# Allegro board SG2042_EVB_V2_0.brd (continued)
## Routing (per net, layer and track width the routed paths; a pad name or vN(x,y) marks a point on that pad's centre or on a via; arc(x,y) is an arc through that point) (continued)
DDR2_DQ43: length 53.8
  TOP w0.173: U1.BR2 v1(89.75,194.05)
  BOTTOM w0.173: J3.260 60.58,181.53 arc(61.12,181.42) 61.57,181.11 61.65,181.03 arc(62.05,180.77) 62.52,180.68 62.55,180.68 arc(63.02,180.77) 63.42,181.03 63.55,181.17 arc(63.95,181.43) 64.42,181.52 64.45,181.52 arc(64.92,181.43) 65.32,181.17 65.46,181.03 arc(65.85,180.77) 66.31,180.68 68.84,180.68 75.2,187.03 83.45,187.03 84.17,187.75 84.41,187.75 85.5,186.66 85.75,186.66 86.05,186.96 86.05,187.21 84.96,188.3 84.96,188.54 85.27,188.85 85.51,188.85 86.6,187.76 86.84,187.76 87.15,188.06 87.15,188.31 86.06,189.4 86.06,189.64 86.37,189.95 86.61,189.95 87.7,188.86 87.94,188.86 88.25,189.16 88.25,189.41 87.16,190.5 87.16,190.74 87.47,191.05 87.71,191.05 88.8,189.96 89.04,189.96 89.35,190.26 89.35,190.51 88.26,191.6 88.26,191.84 89.25,192.83 89.25,193.55 v1(89.75,194.05)
DDR2_DQ44: length 62.7
  TOP w0.173: U1.BN5 v1(92.75,196.05)
  BOTTOM w0.173: v1(92.75,196.05) 92.25,195.55 87.68,195.55 83.87,191.73 83.22,191.73 83.05,191.91 83.05,193.58 82.88,193.75 82.45,193.75 82.27,193.58 82.27,191.91 82.1,191.73 81.67,191.73 81.5,191.91 81.5,193.58 81.32,193.75 80.89,193.75 80.72,193.58 80.72,191.91 80.55,191.73 80.12,191.73 79.94,191.91 79.94,193.58 79.77,193.75 79.34,193.75 79.17,193.58 79.17,191.91 78.99,191.73 78.56,191.73 78.39,191.91 78.39,193.58 78.22,193.75 77.78,193.75 77.61,193.58 77.61,191.91 77.44,191.73 77.01,191.73 76.83,191.91 76.83,193.58 76.66,193.75 76.23,193.75 76.06,193.58 76.06,191.91 75.88,191.73 75.05,191.73 72.49,189.17 66.35,189.17 arc(65.85,189.27) 65.43,189.56 65.32,189.67 arc(64.92,189.93) 64.45,190.03 64.42,190.03 arc(63.95,189.93) 63.55,189.67 63.42,189.53 arc(63.02,189.27) 62.55,189.17 62.52,189.17 arc(62.05,189.27) 61.65,189.53 61.57,189.61 arc(61.12,189.92) 60.58,190.03 59.8,190.03 arc(59.26,189.92) 58.8,189.61 58.78,189.59 arc(58.32,189.28) 57.78,189.17 57,189.17 arc(56.46,189.28) 56,189.59 55.98,189.61 arc(55.52,189.92) 54.98,190.03 J3.106
DDR2_DQ45: length 60.7
  TOP w0.173: U1.BR5 v1(92.75,194.05)
  BOTTOM w0.173: v1(92.75,194.05) 92.25,194.55 87.78,194.55 83.46,190.23 83.22,190.23 82.54,190.9 82.29,190.9 81.99,190.6 81.99,190.36 82.67,189.68 82.67,189.43 82.08,188.85 81.14,188.85 80.97,189.02 80.97,190.78 80.79,190.96 80.36,190.96 80.19,190.78 80.19,189.02 80.02,188.85 79.59,188.85 79.41,189.02 79.41,190.78 79.24,190.96 78.81,190.96 78.64,190.78 78.64,189.02 78.46,188.85 78.03,188.85 77.86,189.02 77.86,190.78 77.69,190.96 77.25,190.96 77.08,190.78 77.08,189.02 76.91,188.85 76.48,188.85 76.3,189.02 76.3,190.78 76.13,190.96 75.7,190.96 75.53,190.78 75.53,189.02 75.35,188.85 74.45,188.85 73.07,187.48 66.38,187.48 arc(65.85,187.58) 65.41,187.88 65.32,187.97 arc(64.92,188.23) 64.45,188.32 64.42,188.32 arc(63.95,188.23) 63.55,187.97 63.42,187.83 arc(63.02,187.57) 62.55,187.48 62.52,187.48 arc(62.05,187.57) 61.65,187.83 61.57,187.91 arc(61.12,188.22) 60.58,188.32 59.8,188.32 arc(59.26,188.22) 58.8,187.91 58.78,187.89 arc(58.32,187.58) 57.78,187.48 57.26,187.48 arc(56.48,187.63) 55.81,188.08 55.52,188.36 arc(55.28,188.74) J3.251
DDR2_DQ46: length 55.3
  TOP w0.173: U1.BT5 v1(92.75,193.05)
  ART14 w0.15: J3.113 53.08,184.08 arc(53.62,183.97) 54.08,183.66 54.15,183.59 arc(54.55,183.32) 55.02,183.22 55.05,183.22 arc(55.52,183.13) 55.92,182.86 56,182.79 arc(56.46,182.48) 57,182.38 57.78,182.38 arc(58.32,182.27) 58.78,181.96 58.8,181.94 arc(59.26,181.63) 59.8,181.52 60.58,181.52 arc(61.12,181.42) 61.58,181.11 61.65,181.04 arc(62.05,180.77) 62.52,180.68 62.55,180.68 arc(63.02,180.77) 63.42,181.04 63.55,181.16 arc(63.95,181.43) 64.42,181.52 64.45,181.52 arc(64.92,181.43) 65.32,181.16 65.4,181.09 arc(65.86,180.78) 66.4,180.68 70.09,180.68 75.17,185.75 84.1,185.75 84.25,185.9 84.25,186.97 84.4,187.12 84.82,187.12 84.97,186.97 84.97,185.9 85.12,185.75 85.55,185.75 85.7,185.9 85.7,186.97 85.85,187.12 86.28,187.12 86.43,186.97 86.43,185.9 86.58,185.75 87.01,185.75 87.16,185.9 87.16,186.97 87.31,187.12 88.92,187.12 92.75,190.95 v1(92.75,193.05)
DDR2_DQ47: length 55.1
  TOP w0.173: U1.BT4 v1(91.75,193.05)
  ART14 w0.15: v1(91.75,193.05) 92.09,192.71 92.09,191.23 88.65,187.79 83.72,187.79 83.57,187.64 83.57,186.56 83.42,186.41 82.99,186.41 82.84,186.56 82.84,187.64 82.69,187.79 82.26,187.79 82.11,187.64 82.11,186.56 81.96,186.41 81.53,186.41 81.38,186.56 81.38,187.64 81.23,187.79 80.81,187.79 80.66,187.64 80.66,186.56 80.51,186.41 80.08,186.41 79.93,186.56 79.93,187.64 79.78,187.79 79.35,187.79 79.2,187.64 79.2,186.56 79.05,186.41 78.62,186.41 78.47,186.56 78.47,187.64 78.32,187.79 77.9,187.79 77.75,187.64 77.75,186.56 77.6,186.41 77.17,186.41 77.02,186.56 77.02,187.64 76.87,187.79 76.44,187.79 76.29,187.64 76.29,186.56 76.14,186.41 74.89,186.41 70.86,182.38 66.4,182.38 arc(65.86,182.48) 65.4,182.79 65.32,182.86 arc(64.92,183.13) 64.45,183.22 64.42,183.22 arc(63.95,183.13) 63.55,182.86 63.42,182.74 arc(63.02,182.47) 62.55,182.38 62.52,182.38 arc(62.05,182.47) 61.65,182.74 61.58,182.81 arc(61.12,183.12) 60.57,183.23 J3.258
DDR2_DQ48: length 59.3
  TOP w0.173: U1.BH5 v1(92.75,201.05)
  ART05 w0.135: v1(92.75,201.05) 92.25,201.55 80.97,201.55 70.05,190.63 70.05,190.44 70.47,190.02 70.47,189.83 70.18,189.53 69.99,189.53 69.57,189.95 69.38,189.95 69.08,189.66 69.08,189.47 69.5,189.05 69.5,188.86 69.21,188.56 69.02,188.56 68.6,188.98 68.41,188.98 67.67,188.24 67.67,181.25 67.09,180.68 66.23,180.68 arc(65.84,180.75) 65.52,180.97 65.32,181.16 arc(64.92,181.43) 64.45,181.52 64.42,181.52 arc(63.95,181.43) 63.55,181.16 63.42,181.04 arc(63.02,180.77) 62.55,180.68 62.52,180.68 arc(62.05,180.77) 61.65,181.04 61.58,181.11 arc(61.12,181.42) 60.57,181.52 59.8,181.52 arc(59.26,181.42) 58.8,181.11 58.78,181.09 arc(58.32,180.78) 57.77,180.68 57,180.68 arc(56.46,180.57) 56,180.26 55.92,180.19 arc(55.52,179.92) 55.05,179.82 55.02,179.82 arc(54.55,179.73) 54.15,179.46 54.08,179.39 arc(53.62,179.08) 53.08,178.98 J3.119
DDR2_DQ49: length 60.5
  TOP w0.173: U1.BH6 v1(93.75,201.05)
  ART05 w0.135: J3.264 57.65,178.99 arc(58.52,179.57) 59.55,179.78 60.66,179.78 arc(61.17,179.67) 61.6,179.38 61.65,179.34 arc(62.05,179.07) 62.52,178.98 62.55,178.98 arc(63.02,179.07) 63.42,179.34 63.55,179.46 arc(63.95,179.73) 64.42,179.82 64.45,179.82 arc(64.92,179.73) 65.32,179.46 65.4,179.39 arc(65.86,179.08) 66.4,178.98 67.01,178.98 68.3,180.26 68.3,186.57 72.14,190.41 72.14,190.6 71.62,191.12 71.62,191.31 71.92,191.6 72.11,191.6 72.62,191.09 72.81,191.09 73.11,191.38 73.11,191.57 72.59,192.09 72.59,192.28 72.89,192.57 73.08,192.57 73.59,192.06 73.78,192.06 74.08,192.35 74.08,192.54 73.56,193.06 73.56,193.25 73.86,193.54 74.05,193.54 74.56,193.03 74.75,193.03 75.05,193.32 75.05,193.51 74.53,194.03 74.53,194.22 74.83,194.51 75.02,194.51 75.53,194 75.72,194 76.02,194.29 76.02,194.49 75.5,195 75.5,195.19 75.8,195.48 75.99,195.48 76.5,194.97 76.69,194.97 82.63,200.91 88.17,200.91 88.53,200.55 93.25,200.55 v1(93.75,201.05)
DDR2_DQ50: length 58.3
  TOP w0.173: U1.BJ5 v1(92.75,200.05)
  ART07 w0.135: v1(92.75,200.05) 92.25,199.55 87.12,199.55 71.26,183.69 71.26,178.07 69.75,176.56 69.56,176.56 69.19,176.93 69,176.93 68.71,176.63 68.71,176.44 69.08,176.08 69.08,175.89 68.78,175.59 68.59,175.59 68.22,175.96 68.03,175.96 67.74,175.66 67.74,175.47 68.11,175.1 68.11,174.91 67.07,173.87 66.4,173.87 arc(65.86,173.98) 65.4,174.29 65.32,174.36 arc(64.92,174.63) 64.45,174.73 64.42,174.73 arc(63.95,174.63) 63.55,174.36 63.42,174.24 arc(63.02,173.97) 62.55,173.87 62.52,173.87 arc(62.05,173.97) 61.65,174.24 61.58,174.31 arc(61.12,174.62) 60.57,174.73 59.8,174.73 arc(59.26,174.62) 58.8,174.31 58.78,174.29 arc(58.32,173.98) 57.77,173.87 57,173.87 arc(56.46,173.77) 56,173.46 55.98,173.44 arc(55.52,173.13) 54.98,173.03 J3.126
DDR2_DQ51: length 57.2
  TOP w0.173: U1.BL6 v1(93.75,198.05)
  ART07 w0.135: J3.271 55.19,172.17 57.77,172.17 arc(58.32,172.28) 58.78,172.59 58.8,172.61 arc(59.26,172.92) 59.8,173.03 60.57,173.03 arc(61.12,172.92) 61.58,172.61 61.65,172.54 arc(62.05,172.27) 62.52,172.17 62.55,172.17 arc(63.02,172.27) 63.42,172.54 63.55,172.66 arc(63.95,172.93) 64.42,173.03 64.45,173.03 arc(64.92,172.93) 65.32,172.66 65.4,172.59 arc(65.86,172.28) 66.4,172.17 67.07,172.17 67.96,173.07 68.15,173.07 68.47,172.75 68.66,172.75 68.95,173.04 68.95,173.23 68.64,173.55 68.64,173.74 68.93,174.04 69.12,174.04 69.44,173.72 69.63,173.72 69.92,174.01 69.92,174.2 69.61,174.52 69.61,174.71 71.97,177.08 71.97,183.28 87.24,198.55 93.25,198.55 v1(93.75,198.05)
DDR2_DQ52: length 66.2
  TOP w0.173: U1.BH8 v1(95.75,201.05)
  ART07 w0.135: J3.117 53.08,180.68 arc(53.62,180.78) 54.08,181.09 54.15,181.16 arc(54.55,181.43) 55.02,181.52 55.05,181.52 arc(55.52,181.43) 55.93,181.16 56,181.09 arc(56.46,180.78) 57,180.68 57.77,180.68 arc(58.32,180.78) 58.78,181.09 58.8,181.11 arc(59.26,181.42) 59.8,181.52 60.57,181.52 arc(61.12,181.42) 61.58,181.11 61.65,181.04 arc(62.05,180.77) 62.52,180.68 62.55,180.68 arc(63.02,180.77) 63.42,181.04 63.55,181.16 arc(63.95,181.43) 64.42,181.52 64.45,181.52 arc(64.92,181.43) 65.32,181.16 65.44,181.04 arc(65.85,180.77) 66.33,180.68 67.09,180.68 68,181.58 68,183.44 68.78,184.22 68.78,184.42 68.13,185.06 68.13,185.25 68.43,185.55 68.62,185.55 69.27,184.9 69.46,184.9 69.75,185.19 69.75,185.39 69.1,186.03 69.1,186.22 69.4,186.52 69.59,186.52 70.24,185.87 70.43,185.87 70.72,186.17 70.72,186.36 70.07,187 70.07,187.19 70.37,187.49 70.56,187.49 71.21,186.84 71.4,186.84 71.69,187.14 71.69,187.33 71.05,187.97 71.05,188.16 71.34,188.46 71.53,188.46 72.18,187.81 72.37,187.81 72.66,188.11 72.66,188.3 72.02,188.94 72.02,189.13 84.43,201.55 95.25,201.55 v1(95.75,201.05)
DDR2_DQ53: length 62.7
  TOP w0.173: U1.BM7 v1(94.75,197.05)
  ART07 w0.135: J3.262 56.79,179.82 60.57,179.82 arc(61.12,179.72) 61.58,179.41 61.65,179.34 arc(62.05,179.07) 62.52,178.98 62.55,178.98 arc(63.02,179.07) 63.42,179.34 63.55,179.46 arc(63.95,179.73) 64.42,179.82 64.45,179.82 arc(64.92,179.73) 65.32,179.46 65.44,179.34 arc(65.85,179.07) 66.33,178.98 67.09,178.98 68.63,180.51 68.63,183.18 73.79,188.34 73.79,188.53 73.17,189.14 73.17,189.33 73.47,189.62 73.66,189.62 74.27,189.01 74.46,189.01 74.76,189.31 74.76,189.5 74.15,190.11 74.15,190.3 74.44,190.59 74.63,190.59 75.24,189.98 75.43,189.98 75.73,190.28 75.73,190.47 75.12,191.08 75.12,191.27 75.41,191.56 75.6,191.56 76.21,190.95 76.4,190.95 76.7,191.25 76.7,191.44 76.09,192.05 76.09,192.24 76.38,192.53 76.57,192.53 77.18,191.92 77.37,191.92 77.67,192.22 77.67,192.41 77.06,193.02 77.06,193.21 77.35,193.5 77.54,193.5 78.15,192.89 78.34,192.89 86,200.55 93.96,200.55 94.25,200.26 94.25,197.55 v1(94.75,197.05)
DDR2_DQ54: length 64.3
  TOP w0.173: U1.BL8 v1(95.75,198.05)
  ART05 w0.135: v1(95.75,198.05) 95.25,197.55 85.79,197.55 79.98,191.74 79.98,191.55 80.37,191.16 80.37,190.97 80.08,190.67 79.89,190.67 79.5,191.07 79.31,191.07 79.01,190.77 79.01,190.58 79.4,190.19 79.4,190 79.11,189.7 78.92,189.7 78.53,190.1 78.34,190.1 78.04,189.8 78.04,189.61 78.43,189.22 78.43,189.03 78.14,188.73 77.95,188.73 77.56,189.13 77.37,189.13 77.07,188.83 77.07,188.64 77.46,188.25 77.46,188.06 77.17,187.76 76.98,187.76 76.59,188.16 76.39,188.16 76.1,187.86 76.1,187.67 76.49,187.28 76.49,187.09 76.2,186.79 76.01,186.79 75.62,187.19 75.42,187.19 71.65,183.41 71.65,178.43 67.09,173.87 66.29,173.87 arc(65.85,173.96) 65.47,174.22 65.32,174.36 arc(64.92,174.63) 64.45,174.73 64.42,174.73 arc(63.95,174.63) 63.55,174.36 63.42,174.24 arc(63.02,173.97) 62.55,173.87 62.52,173.87 arc(62.05,173.97) 61.65,174.24 61.58,174.31 arc(61.12,174.62) 60.57,174.73 59.8,174.73 arc(59.26,174.62) 58.8,174.31 58.78,174.29 arc(58.32,173.98) 57.77,173.87 57,173.87 arc(56.46,173.98) 56,174.29 55.98,174.31 arc(55.52,174.62) 54.98,174.73 J3.124
DDR2_DQ55: length 61.9
  TOP w0.173: U1.BM5 v1(92.75,197.05)
  ART05 w0.135: J3.269 55.19,173.62 arc(55.23,173.42) 55.35,173.24 55.81,172.78 arc(56.48,172.33) 57.27,172.17 57.77,172.17 arc(58.32,172.28) 58.78,172.59 58.8,172.61 arc(59.26,172.92) 59.8,173.03 60.57,173.03 arc(61.12,172.92) 61.58,172.61 61.65,172.54 arc(62.05,172.27) 62.52,172.17 62.55,172.17 arc(63.02,172.27) 63.42,172.54 63.55,172.66 arc(63.95,172.93) 64.42,173.03 64.45,173.03 arc(64.92,172.93) 65.32,172.66 65.43,172.55 arc(65.85,172.27) 66.34,172.17 67.07,172.17 72.28,177.39 72.28,183.15 75.03,185.9 76.4,185.9 81.7,191.2 81.7,191.39 81.2,191.88 81.2,192.07 81.5,192.37 81.69,192.37 82.18,191.87 82.37,191.87 82.67,192.17 82.67,192.36 82.17,192.85 82.17,193.04 82.47,193.34 82.66,193.34 83.15,192.84 83.34,192.84 83.64,193.14 83.64,193.33 83.14,193.82 83.14,194.01 83.44,194.31 83.63,194.31 84.12,193.81 84.31,193.81 84.61,194.11 84.61,194.3 84.11,194.79 84.11,194.98 84.41,195.28 84.6,195.28 85.09,194.78 85.28,194.78 85.58,195.08 85.58,195.27 85.08,195.76 85.08,195.95 85.38,196.25 85.57,196.25 86.06,195.75 86.25,195.75 87.05,196.55 92.25,196.55 v1(92.75,197.05)
DDR2_DQ56: length 65
  TOP w0.173: U1.BP6 v1(93.75,195.05)
  ART05 w0.135: J3.130 54.98,169.63 arc(55.52,169.73) 55.98,170.04 56,170.06 arc(56.46,170.37) 57,170.47 57.77,170.47 arc(58.32,170.58) 58.78,170.89 58.8,170.91 arc(59.26,171.22) 59.8,171.33 60.57,171.33 arc(61.12,171.22) 61.58,170.91 61.65,170.84 arc(62.05,170.57) 62.52,170.47 62.55,170.47 arc(63.02,170.57) 63.42,170.84 63.55,170.96 arc(63.95,171.23) 64.42,171.33 64.45,171.33 arc(64.92,171.23) 65.32,170.96 65.41,170.88 arc(65.88,170.56) 66.44,170.45 72.68,170.45 82.58,180.35 82.58,182.18 82.65,182.24 87.82,187.42 88.01,187.42 88.65,186.78 88.84,186.78 89.13,187.08 89.13,187.27 88.5,187.9 88.5,188.09 88.79,188.39 88.98,188.39 89.62,187.75 89.81,187.75 90.1,188.05 90.1,188.24 89.47,188.87 89.47,189.06 89.76,189.36 89.95,189.36 90.59,188.72 90.78,188.72 91.07,189.02 91.07,189.21 90.44,189.84 90.44,190.03 90.73,190.33 90.92,190.33 91.56,189.69 91.75,189.69 92.05,189.99 92.05,190.18 91.41,190.81 91.41,191 91.7,191.3 91.9,191.3 92.53,190.66 92.72,190.66 93.02,190.96 93.02,191.15 92.38,191.78 92.38,191.97 93.25,192.84 93.25,194.55 v1(93.75,195.05)
DDR2_DQ57: length 66.4
  TOP w0.173: U1.BN7 v1(94.75,196.05)
  ART05 w0.135: v1(94.75,196.05) 94.25,195.55 94.25,191.13 88.49,185.37 88.3,185.37 87.58,186.09 87.39,186.09 87.09,185.8 87.09,185.61 87.81,184.88 87.81,184.69 87.52,184.4 87.33,184.4 86.61,185.12 86.42,185.12 86.12,184.83 86.12,184.64 86.84,183.91 86.84,183.72 86.55,183.43 86.36,183.43 85.64,184.15 85.45,184.15 85.15,183.86 85.15,183.66 85.87,182.94 85.87,182.75 85.58,182.46 85.39,182.46 84.67,183.18 84.48,183.18 84.18,182.89 84.18,182.69 84.9,181.97 84.9,181.78 84.61,181.49 84.42,181.49 83.7,182.21 83.51,182.21 83.21,181.91 83.21,181.72 83.93,181 83.93,180.81 72.94,169.82 68.1,169.82 67.08,168.8 66.35,168.8 arc(65.83,168.91) 65.38,169.2 65.32,169.26 arc(64.92,169.53) 64.45,169.63 64.42,169.63 arc(63.95,169.53) 63.55,169.26 63.42,169.14 arc(63.02,168.87) 62.55,168.77 62.52,168.77 arc(62.05,168.87) 61.65,169.14 61.58,169.21 arc(61.12,169.52) 60.57,169.63 59.8,169.63 arc(59.26,169.52) 58.8,169.21 58.78,169.19 arc(58.32,168.88) 57.77,168.77 55.19,168.77 J3.275
DDR2_DQ58: length 63.4
  TOP w0.173: U1.BR6 v1(93.75,194.05)
  ART07 w0.135: v1(93.75,194.05) 93.25,193.55 93.25,185.84 71.08,163.68 68.94,163.68 68.81,163.81 68.81,164.61 68.67,164.74 68.26,164.74 68.12,164.61 68.12,163.81 67.99,163.68 66.32,163.68 arc(65.85,163.77) 65.45,164.03 65.32,164.16 arc(64.92,164.43) 64.45,164.52 64.42,164.52 arc(63.95,164.43) 63.55,164.16 63.42,164.04 arc(63.02,163.77) 62.55,163.68 62.52,163.68 arc(62.05,163.77) 61.65,164.04 61.58,164.11 arc(61.12,164.42) 60.57,164.52 59.8,164.52 arc(59.26,164.42) 58.8,164.11 58.78,164.09 arc(58.32,163.78) 57.77,163.68 57,163.68 arc(56.46,163.78) 56,164.09 55.93,164.16 arc(55.52,164.43) 55.05,164.52 55.02,164.52 arc(54.55,164.43) 54.15,164.16 54.08,164.09 arc(53.62,163.78) 53.08,163.68 J3.137
DDR2_DQ59: length 64.1
  TOP w0.173: U1.BR7 v1(94.75,194.05)
  ART07 w0.135: v1(94.75,194.05) 94.25,193.55 94.25,185.95 74.5,166.2 74.5,166.01 75.04,165.47 75.04,165.28 74.74,164.99 74.55,164.99 74.01,165.52 73.82,165.52 73.53,165.23 73.53,165.04 74.07,164.5 74.07,164.31 73.77,164.02 73.58,164.02 73.04,164.55 72.85,164.55 72.56,164.26 72.56,164.07 73.09,163.53 73.09,163.34 72.8,163.05 72.61,163.05 72.07,163.58 71.88,163.58 71.59,163.29 71.59,163.1 72.12,162.56 72.12,162.37 71.83,162.08 71.64,162.08 71.1,162.61 70.91,162.61 70.28,161.98 66.29,161.98 arc(65.85,162.06) 65.47,162.32 65.32,162.46 arc(64.92,162.73) 64.45,162.82 64.42,162.82 arc(63.95,162.73) 63.55,162.46 63.42,162.34 arc(63.02,162.07) 62.55,161.98 62.52,161.98 arc(62.05,162.07) 61.65,162.34 61.58,162.41 arc(61.12,162.72) 60.57,162.83 J3.282
DDR2_DQ60: length 71.9
  TOP w0.173: U1.BN10 v1(97.75,196.05)
  ART07 w0.135: v1(97.75,196.05) 97.25,195.55 91.54,195.55 91.25,195.26 91.25,188.57 78.24,175.56 78.05,175.56 77.37,176.24 77.18,176.24 76.89,175.95 76.89,175.75 77.57,175.07 77.57,174.88 77.27,174.59 77.08,174.59 76.4,175.27 76.21,175.27 75.91,174.97 75.91,174.78 76.6,174.1 76.6,173.91 76.3,173.62 76.11,173.62 75.43,174.3 75.24,174.3 74.94,174 74.94,173.81 75.63,173.13 75.63,172.94 75.33,172.65 75.14,172.65 74.46,173.33 74.27,173.33 73.97,173.03 73.97,172.84 74.66,172.16 74.66,171.97 74.36,171.68 74.17,171.68 73.49,172.36 73.3,172.36 73,172.06 73,171.87 73.69,171.19 73.69,171 73.16,170.47 66.37,170.47 arc(65.85,170.58) 65.42,170.87 65.32,170.96 arc(64.92,171.23) 64.45,171.33 64.42,171.33 arc(63.95,171.23) 63.55,170.96 63.42,170.84 arc(63.02,170.57) 62.55,170.47 62.52,170.47 arc(62.05,170.57) 61.65,170.84 61.58,170.91 arc(61.12,171.22) 60.57,171.33 59.8,171.33 arc(59.26,171.22) 58.8,170.91 58.78,170.89 arc(58.32,170.58) 57.77,170.47 57,170.47 arc(56.46,170.58) 56,170.89 55.98,170.91 arc(55.52,171.22) 54.98,171.33 J3.128
DDR2_DQ61: length 70.3
  TOP w0.173: U1.BR10 v1(97.75,194.05)
  ART07 w0.135: v1(97.75,194.05) 97.25,194.55 92.54,194.55 92.25,194.26 92.25,188.67 77.61,174.04 77.61,173.85 78.31,173.14 78.31,172.95 78.02,172.66 77.83,172.66 77.13,173.36 76.94,173.36 76.64,173.07 76.64,172.88 77.34,172.17 77.34,171.98 77.05,171.69 76.86,171.69 76.16,172.39 75.97,172.39 75.67,172.1 75.67,171.91 76.37,171.2 76.37,171.01 76.08,170.72 75.89,170.72 75.19,171.42 75,171.42 74.7,171.13 74.7,170.94 75.4,170.23 75.4,170.04 75.11,169.75 74.92,169.75 74.22,170.45 74.03,170.45 73.73,170.16 73.73,169.96 74.43,169.26 74.43,169.07 74.14,168.78 73.95,168.78 73.25,169.48 73.06,169.48 72.35,168.77 66.4,168.77 arc(65.86,168.88) 65.4,169.19 65.32,169.26 arc(64.92,169.53) 64.45,169.63 64.42,169.63 arc(63.95,169.53) 63.55,169.26 63.42,169.14 arc(63.02,168.87) 62.55,168.77 62.52,168.77 arc(62.05,168.87) 61.65,169.14 61.58,169.21 arc(61.12,169.52) 60.57,169.63 59.8,169.63 arc(59.26,169.52) 58.8,169.21 58.78,169.19 arc(58.32,168.88) 57.77,168.77 57.27,168.77 arc(56.48,168.93) 55.81,169.38 55.52,169.66 arc(55.28,170.04) 55.19,170.47 J3.273
DDR2_DQ62: length 70.1
  TOP w0.173: U1.BT10 v1(97.75,193.05)
  ART05 w0.135: J3.135 53.08,165.38 arc(53.62,165.27) 54.08,164.96 54.15,164.89 arc(54.55,164.62) 55.03,164.52 55.05,164.52 arc(55.52,164.43) 55.93,164.16 56,164.09 arc(56.46,163.78) 57,163.68 57.77,163.68 arc(58.32,163.57) 58.78,163.26 58.8,163.24 arc(59.26,162.93) 59.8,162.82 60.57,162.82 arc(61.12,162.72) 61.58,162.41 61.65,162.34 arc(62.05,162.07) 62.52,161.98 62.55,161.98 arc(63.02,162.07) 63.42,162.34 63.55,162.46 arc(63.95,162.73) 64.42,162.82 64.45,162.82 arc(64.92,162.73) 65.32,162.46 65.43,162.36 arc(65.85,162.08) 66.36,161.98 67.98,161.98 68.11,162.11 68.11,162.78 68.24,162.92 68.66,162.92 68.8,162.78 68.8,162.11 68.93,161.98 69.35,161.98 69.48,162.11 69.48,162.78 69.62,162.92 70.03,162.92 70.17,162.78 70.17,162.11 70.3,161.98 70.72,161.98 70.85,162.11 70.85,162.78 70.99,162.92 71.4,162.92 71.54,162.78 71.54,162.11 71.67,161.98 72.8,161.98 78.32,167.5 78.32,169.56 98.24,189.48 98.24,192.57 v1(97.75,193.05)
DDR2_DQ63: length 69.7
  TOP w0.173: U1.BT9 v1(96.75,193.05)
  ART05 w0.135: J3.280 60.57,164.53 arc(61.12,164.42) 61.58,164.11 61.65,164.04 arc(62.05,163.77) 62.52,163.68 62.55,163.68 arc(63.02,163.77) 63.42,164.04 63.55,164.16 arc(63.95,164.43) 64.42,164.52 64.45,164.52 arc(64.92,164.43) 65.32,164.16 65.43,164.06 arc(65.85,163.78) 66.36,163.68 71.54,163.68 72.29,164.43 72.48,164.43 73.33,163.58 73.52,163.58 73.81,163.88 73.81,164.07 72.97,164.91 72.97,165.1 73.26,165.4 73.45,165.4 74.3,164.55 74.49,164.55 74.78,164.85 74.78,165.04 73.94,165.88 73.94,166.07 74.23,166.37 74.42,166.37 75.27,165.53 75.46,165.53 75.75,165.82 75.75,166.01 74.91,166.85 74.91,167.04 75.2,167.34 75.39,167.34 76.24,166.5 76.43,166.5 76.72,166.79 76.72,166.98 75.88,167.82 75.88,168.01 76.17,168.31 76.36,168.31 77.21,167.47 77.4,167.47 77.69,167.76 77.69,167.95 76.85,168.79 76.85,168.98 97.61,189.74 97.61,191.61 97.6,191.61 97.6,192.2 v1(96.75,193.05)
DDR2_DQS0_N: length 86
  TOP w0.173: U1.AK4 v1(91.75,219.05)
  ART14 w0.122: 87.04,220.13 87.04,220.1 87.48,219.66 91.23,219.66 91.46,219.42 91.46,219.34 v1(91.75,219.05)
  ART14 w0.135: 87.04,220.13 85.54,221.62 85.54,261.59 69.41,277.72 66.32,277.72 arc(65.88,277.81) 65.51,278.06 65.41,278.16 arc(64.97,278.45) 64.45,278.56 64.42,278.56 arc(63.9,278.45) 63.46,278.16 63.33,278.03 arc(62.97,277.79) 62.55,277.71 62.52,277.71 arc(62.1,277.79) 61.74,278.03 61.63,278.14 arc(61.17,278.45) 60.62,278.56 59.75,278.56 arc(59.2,278.45) 58.74,278.14 58.65,278.05 arc(58.27,277.79) 57.82,277.71 56.41,277.71 arc(56.28,277.74) 56.18,277.85 56.17,277.87 arc(56.16,278.02) 56.25,278.14 J3.152
DDR2_DQS0_P: length 85.9
  TOP w0.173: U1.AK3 v1(90.75,219.05)
  ART14 w0.122: v1(90.75,219.05) 91.13,219.05 91.25,219.17 91.25,219.34 91.15,219.44 87.39,219.44 86.91,219.92 86.88,219.92 86.85,219.95
  ART14 w0.135: 86.85,219.95 85.28,221.52 85.28,261.48 69.3,277.46 66.32,277.46 arc(65.78,277.57) 65.33,277.87 65.23,277.97 arc(64.87,278.21) 64.45,278.29 64.42,278.29 arc(64,278.21) 63.64,277.97 63.51,277.84 arc(63.07,277.55) 62.55,277.44 62.52,277.44 arc(62,277.55) 61.56,277.84 61.45,277.95 arc(61.07,278.21) 60.62,278.29 59.75,278.29 arc(59.3,278.21) 58.92,277.95 58.84,277.86 arc(58.37,277.55) 57.82,277.44 56.32,277.44 arc(56.14,277.45) 55.95,277.47 J3.153
DDR2_DQS1_N: length 82
  TOP w0.173: U1.AR3 v1(90.75,214.05)
  ART14 w0.122: 86.59,214.56 86.62,214.56 86.64,214.59 87.81,214.59 87.95,214.44 91.13,214.44 91.22,214.35 91.22,214.17 91.1,214.05 v1(90.75,214.05)
  ART14 w0.135: J3.163 55.46,268.27 arc(55.55,268.08) 55.68,267.92 55.7,267.91 arc(55.7,267.9) 55.71,267.9 55.95,267.65 arc(56.4,267.35) 56.94,267.24 57.82,267.24 arc(58.37,267.35) 58.84,267.66 58.92,267.75 arc(59.3,268.01) 59.75,268.09 60.62,268.09 arc(61.07,268.01) 61.45,267.75 61.56,267.64 arc(62,267.35) 62.52,267.24 62.55,267.24 arc(63.07,267.35) 63.51,267.64 63.64,267.77 arc(64,268.01) 64.42,268.09 64.45,268.09 arc(64.87,268.01) 65.23,267.77 65.44,267.56 arc(65.79,267.33) 66.21,267.24 67.09,267.24 69.15,265.18 69.15,257.89 79.81,247.23 79.81,219.25 84.49,214.56 86.59,214.56
DDR2_DQS1_P: length 82.1
  TOP w0.173: U1.AR4 v1(91.75,214.05)
  ART14 w0.122: 86.59,214.82 86.62,214.82 86.64,214.8 87.89,214.8 88.04,214.66 91.21,214.66 91.44,214.43 91.44,214.36 v1(91.75,214.05)
  ART14 w0.135: J3.164 56.16,268.56 arc(55.98,268.57) 55.84,268.46 55.82,268.41 arc(55.79,268.25) 55.86,268.11 56.14,267.84 arc(56.5,267.59) 56.94,267.51 57.82,267.51 arc(58.27,267.59) 58.65,267.85 58.74,267.94 arc(59.2,268.25) 59.75,268.36 60.62,268.36 arc(61.17,268.25) 61.63,267.94 61.74,267.83 arc(62.1,267.59) 62.52,267.51 62.55,267.51 arc(62.97,267.59) 63.33,267.83 63.46,267.96 arc(63.9,268.25) 64.42,268.36 64.45,268.36 arc(64.97,268.25) 65.41,267.96 65.62,267.75 arc(65.89,267.57) 66.21,267.51 67.19,267.51 69.42,265.28 69.42,257.99 80.07,247.34 80.07,219.36 84.6,214.82 86.59,214.82
DDR2_DQS2_N: length 67.7
  TOP w0.173: U1.AJ6 v1(93.75,220.05)
  ART05 w0.112: v1(93.75,220.05) 93.56,220.24 93.56,220.43 93.33,220.66 87.61,220.66 87.22,221.06 87.22,221.07
  ART05 w0.117: 87.22,221.07 83.26,225.03 83.26,244.1 68.37,259 66.24,259 arc(65.89,259.07) 65.6,259.26 65.41,259.45 arc(64.97,259.74) 64.45,259.85 64.42,259.85 arc(63.9,259.74) 63.46,259.45 63.34,259.32 arc(62.98,259.08) 62.55,259 62.52,259 arc(62.1,259.08) 61.74,259.32 61.63,259.43 arc(61.17,259.74) 60.62,259.85 59.76,259.85 arc(59.21,259.74) 58.74,259.43 58.66,259.35 arc(58.27,259.09) 57.82,259 56.36,259 arc(56.28,259.02) 56.22,259.08 56.19,259.14 arc(56.16,259.23) 56.17,259.32 arc(56.21,259.4) 56.28,259.46 J3.174
DDR2_DQS2_P: length 67.7
  TOP w0.173: U1.AJ5 v1(92.75,220.05)
  ART05 w0.112: v1(92.75,220.05) 93.23,220.05 93.34,220.16 93.34,220.33 93.24,220.44 87.52,220.44 87.06,220.9 87.04,220.9
  ART05 w0.117: J3.175 55.99,258.77 arc(56.14,258.76) 56.29,258.75 57.82,258.75 arc(58.37,258.86) 58.83,259.17 58.91,259.25 arc(59.3,259.51) 59.76,259.6 60.62,259.6 arc(61.07,259.51) 61.46,259.25 61.56,259.15 arc(62,258.86) 62.52,258.75 62.55,258.75 arc(63.07,258.86) 63.51,259.15 63.64,259.28 arc(64,259.52) 64.42,259.6 64.45,259.6 arc(64.88,259.52) 65.24,259.28 65.42,259.09 arc(65.8,258.84) 66.24,258.75 68.27,258.75 83.02,244 83.02,224.93 87.04,220.9
